# Altium PCB Rev5_FE_Test_V2.PCBDOC (part 1 of 2) (continued)
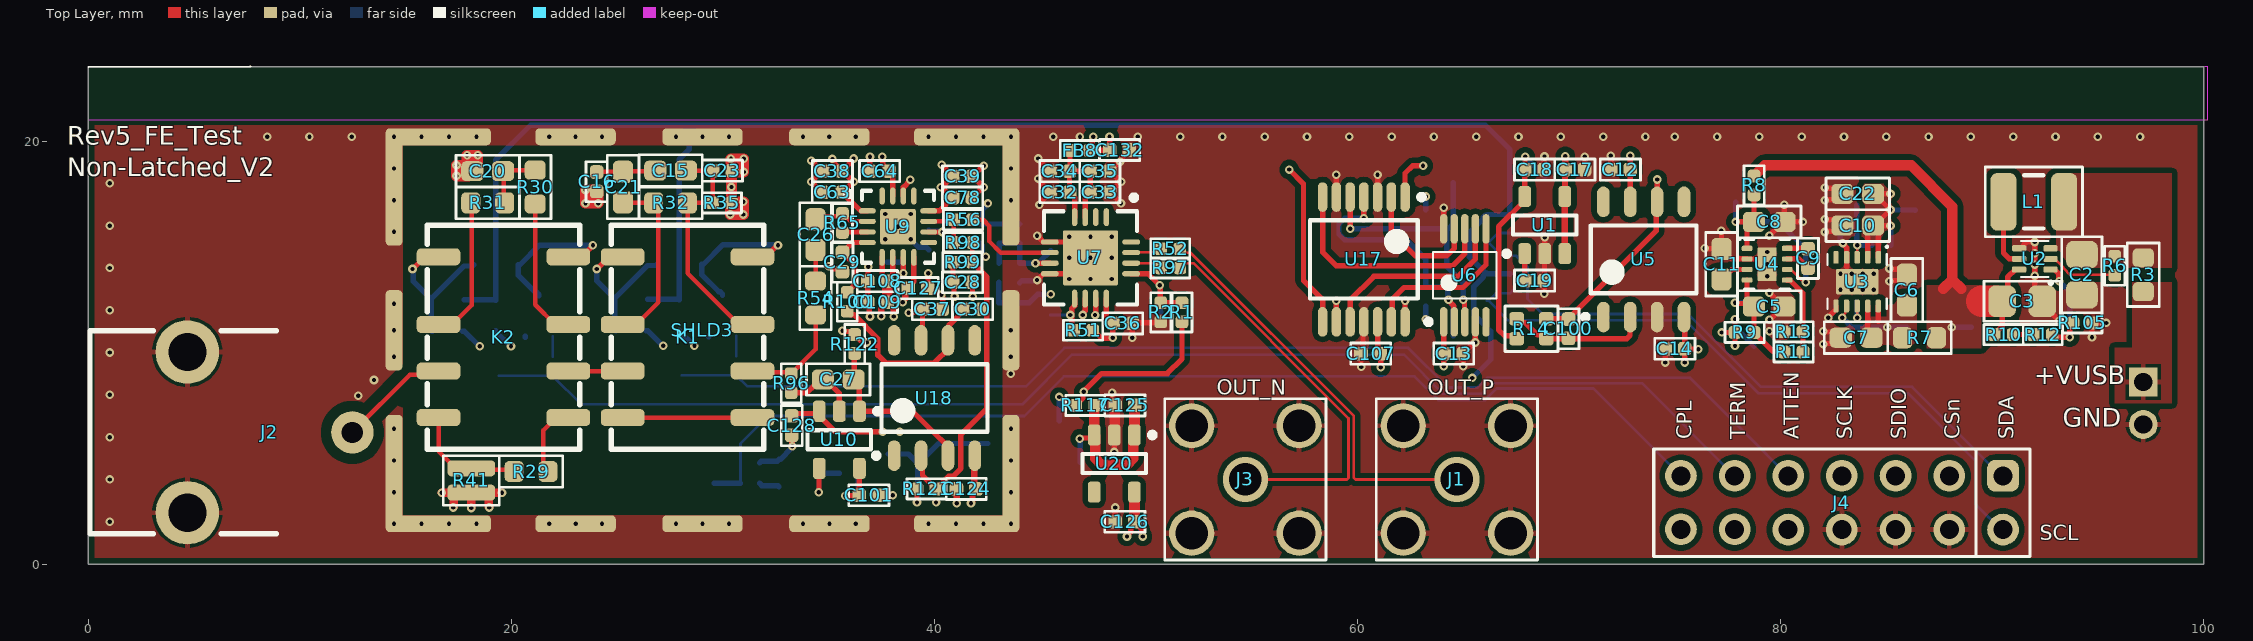
[diagram p0: Top Layer view]
## Components (designator, comment, footprint, x,y, rotation, side; value= is the part's Value field where it differs from the comment)
C1 "10uF" GEN_C_0603 19.25,11.75 r90 bottom
C2 "22uF" GEN_C_0805 94.25,13.675 r90 top
C3 "22uF" GEN_C_0805 91.425,12.425 r180 top
C4 "10uF" GEN_C_0603 16.975,11 r180 bottom
C5 "10uF" GEN_C_0603 79.466,12.176 r180 top
C6 "10uF" GEN_C_0603 85.975,12.95 r270 top
C7 "10uF" GEN_C_0603 83.575,10.7 r0 top
C8 "10uF" GEN_C_0603 79.466,16.176 r180 top
C9 "1uF" GEN_C_0402 81.3,14.45 r90 top
C10 "10uF" GEN_C_0603 83.65,16 r0 top
C11 "10uF" GEN_C_0603 77.216,14.176 r270 top
C12 "100nF" GEN_C_0402 72.43,18.65 r180 top
C13 "100nF" GEN_C_0402 64.55,9.95 r180 top
C14 "100nF" GEN_C_0402 75.005,10.175 r0 top
C15 "2.4pF" GEN_C_0603 27.525,18.6 r180 top
C16 "12pF" GEN_C_0402 24.025,18.075 r90 top
C17 "100nF" GEN_C_0402 70.275,18.65 r0 top
C18 "100nF" GEN_C_0402 68.375,18.65 r0 top
C19 "100nF" GEN_C_0402 68.375,13.4 r180 top
C20 "8pF" GEN_C_0603 18.875,18.575 r180 top
C21 "2.4pF" GEN_C_0603 25.275,17.825 r270 top
C22 "10uF" GEN_C_0603 83.65,17.5 r0 top
C23 "12pF" GEN_C_0402 29.975,18.6 r180 top
C24 "10uF" GEN_C_0603 27.925,11.775 r90 bottom
C25 "10uF" GEN_C_0603 25.65,11.025 r180 bottom
C26 "1.2nF" GEN_C_0603 34.375,15.575 r270 top
C27 "22nF" GEN_C_0603 35.45,8.725 r0 top
C28 "100nF" GEN_C_0402 41.325,13.325 r0 top
C29 "100pF" GEN_C_0402 35.65,14.275 r90 top
C30 "220pF" GEN_C_0402 41.8,12.05 r0 top
C31 "100nF" GEN_C_0402 44.025,13.75 r270 bottom
C32 "1nF" GEN_C_0402 45.925,17.575 r0 top
C33 "10nF" GEN_C_0402 47.825,17.575 r180 top
C34 "100nF" GEN_C_0402 45.925,18.575 r0 top
C35 "1uF" GEN_C_0402 47.825,18.575 r180 top
C36 "100nF" GEN_C_0402 48.9,11.375 r180 top
C37 "1uF" GEN_C_0402 39.9,12.05 r180 top
C38 "1uF" GEN_C_0402 35.175,18.575 r180 top
C39 "1uF" GEN_C_0402 41.325,18.325 r0 top
C40 "100nF" GEN_C_0402 83.15,12.3 r0 bottom
C63 "1uF" GEN_C_0402 35.175,17.575 r180 top
C64 "1uF" GEN_C_0402 37.4,18.575 r0 top
C78 "1uF" GEN_C_0402 41.325,17.325 r180 top
C100 "100nF" GEN_C_0402 69.975,11.125 r270 top
C101 "1uF" GEN_C_0402 36.9,3.25 r180 top
C102 "1uF" GEN_C_0402 37.3,12.375 r0 bottom
C107 "100nF" GEN_C_0402 60.625,9.95 r0 top
C108 "1uF" GEN_C_0402 37.3,13.375 r0 top
C109 "1uF" GEN_C_0402 37.3,12.375 r180 top
C110 "1uF" GEN_C_0402 39.725,15.325 r270 bottom
C124 "1uF" GEN_C_0402 41.5,3.55 r180 top
C125 "1uF" GEN_C_0402 49,7.5 r0 top
C126 "1uF" GEN_C_0402 49,2 r0 top
C127 "1uF" GEN_C_0402 39.225,13.05 r180 top
C128 "1uF" GEN_C_0402 33.25,6.55 r90 top
C130 "100nF" GEN_C_0402 42.1,15.675 r270 bottom
C131 "100nF" GEN_C_0402 43.025,11.9 r270 bottom
C132 "1uF" GEN_C_0402 48.75,19.575 r180 top
D2 "1N4148" GEN_SOD_323 27.95,14.175 r0 bottom
D3 "1N4148" GEN_SOD_323 19.275,14.15 r0 bottom
FB7 "120@100MHZ" GEN_R_0402 43.05,13.775 r90 bottom
FB8 "120@100MHZ" GEN_R_0402 46.875,19.55 r0 top
J1 "SMA" MOL_0733910083 64.7,4 r0 top
J2 "BNC" MOL_0731000105 8.575,6.225 r90 top
J3 "SMA" MOL_0733910083 54.7,4 r0 top
J4 "2.54mm 2X7 Pin TH" GEN_2.54mm_2X7_Pin_TH_RA 82.9,2.9 r180 top
J12 "B2B-PH-K-S(LF)(SN)" JST_B2B-PH-K-S(LF)(SN) 97.7,7.6 r90 bottom
K1 "FTR-B3SA003Z" FUJ_FTR-B3SA 28.325,10.725 r270 top
K2 "FTR-B3SA003Z" FUJ_FTR-B3SA 19.62,10.725 r270 top
L1 "1uH" GEN_L_1210 91.975,17.125 r180 top
Q1 "DMN62D0UW" GEN_SOT_323 65.175,15.85 r270 bottom
Q2 "DMN62D0UW" GEN_SOT_323 65.175,13.1 r270 bottom
Q3 "DMN62D0UW" GEN_SOT_323 29.975,11.75 r180 bottom
Q4 "DMN62D0UW" GEN_SOT_323 21.3,11.725 r180 bottom
Q5 "DMN62D0UW" GEN_SOT_323 33.6,4.3 r90 bottom
R1 "4.7K" GEN_R_0402 51.7,11.9 r270 top
R2 "1K" GEN_R_0402 50.7,11.9 r270 top
R3 "0.01" GEN_R_0603 97.15,13.675 r270 top
R5 "10" GEN_R_0603 16.975,12.5 r0 bottom
R6 "10K" GEN_R_0402 95.8,14.1 r90 top
R7 "0.01" GEN_R_0603 86.575,10.7 r180 top
R8 "0.1" GEN_R_0402 78.75,17.9 r270 top
R9 "0.1" GEN_R_0402 78.3,10.95 r180 top
R10 "680K" GEN_R_0402 90.55,10.85 r180 top
R11 "300K" GEN_R_0402 80.616,10.026 r180 top
R12 "90.9k" GEN_R_0402 92.4,10.85 r180 top
R13 "100k" GEN_R_0402 80.616,10.976 r0 top
R14 "10K" GEN_R_2ARRAY_0606 68.225,11.125 r270 top
R16 "10" GEN_R_0603 25.65,12.525 r180 bottom
R20 "10K" GEN_R_0402 67.2,16.1 r90 bottom
R21 "10K" GEN_R_0402 67.2,13.25 r90 bottom
R22 "10K" GEN_R_0402 63.225,16.3 r90 bottom
R23 "10K" GEN_R_0402 63.225,12.65 r270 bottom
R25 "20k" GEN_R_0402 84.775,15.075 r0 bottom
R26 "4.7K" GEN_R_0402 83.15,16.975 r0 bottom
R27 "20k" GEN_R_0402 83.15,16.025 r0 bottom
R29 "30" GEN_R_0603 20.925,4.375 r0 top
R30 "30" GEN_R_0603 21.12,17.825 r270 top
R31 "10" GEN_R_0603 18.875,17.075 r0 top
R32 "976k" GEN_R_0603 27.525,17.075 r0 top
R35 "20k" GEN_R_0402 29.95,17.075 r180 top
R41 "49.9" GEN_R_0508 18.1,3.95 r90 top
R47 "10K" GEN_R_0402 30.625,9.375 r270 bottom
R48 "10K" GEN_R_0402 21.95,9.35 r270 bottom
R49 "10K" GEN_R_0402 29.325,9.375 r270 bottom
R50 "10K" GEN_R_0402 20.65,9.35 r270 bottom
R51 "10K" GEN_R_0402 47.025,11.05 r0 top
R52 "0" GEN_R_0402 51.15,14.9 r0 top
R54 "30" GEN_R_0603 34.375,12.575 r90 top
R55 "35.7k" GEN_R_0402 37.75,13.825 r270 bottom
R56 "49.9" GEN_R_0402 41.35,16.275 r0 top
R65 "909k" GEN_R_0402 35.65,16.125 r90 top
R96 "909k" GEN_R_0402 33.225,8.55 r90 top
R97 "0" GEN_R_0402 51.15,14 r0 top
R98 "90.9k" GEN_R_0402 41.35,15.2 r180 top
R99 "90.9k" GEN_R_0402 41.325,14.275 r0 top
R100 "2K" GEN_R_0402 35.875,12.4 r270 top
R105 "100k" GEN_R_0402 94.275,11.4 r180 top
R117 "0.1" GEN_R_0402 47.125,7.5 r0 top
R118 "1K" GEN_R_0402 43.075,15.625 r90 bottom
R119 "1K" GEN_R_0402 44.025,15.625 r270 bottom
R121 "10K" GEN_R_0402 39.625,3.55 r0 top
R122 "90.9k" GEN_R_0402 36.225,10.4 r270 top
R123 "DNP" GEN_R_0402 37.8,4.75 r90 bottom
R124 "5K TRIMPOT" BOU_3mm_POT 40.975,4.75 r270 bottom value=5K
R125 "10K" GEN_R_0402 35.95,4.3 r0 bottom
R126 "10K" GEN_R_0402 31.275,3.825 r180 bottom
R127 "10K" GEN_R_0402 31.275,4.775 r180 bottom
SHLD3 "2118728-2" TE_2118728-2 29.031,11.053 r180 top locked
TP2 "PCB" GEN_TP_PCB 85.975,11.2 r0 bottom
TP3 "PCB" GEN_TP_PCB 86.225,16.725 r0 bottom
TP4 "PCB" GEN_TP_PCB 89.025,11.2 r0 bottom
TP11 "PCB" GEN_TP_PCB 77.875,17.125 r180 bottom
TP12 "PCB" GEN_TP_PCB 78.75,12.35 r180 bottom
TP15 "PCB" GEN_TP_PCB 78.75,10.3 r180 bottom
TP16 "PCB" GEN_TP_PCB 50.7,11.9 r90 bottom
TP17 "PCB" GEN_TP_PCB 68.85,18.325 r90 bottom
TP19 "PCB" GEN_TP_PCB 74.15,16.95 r0 bottom
TP20 "PCB" GEN_TP_PCB 64.525,10.8 r90 bottom
TP21 "PCB" GEN_TP_PCB 64.525,18.05 r270 bottom
TP22 "PCB" GEN_TP_PCB 28.05,8.925 r90 bottom
TP23 "PCB" GEN_TP_PCB 19.25,8.9 r90 bottom
TP24 "PCB" GEN_TP_PCB 45.475,11.775 r90 bottom
TP25 "PCB" GEN_TP_PCB 45.5,14.825 r90 bottom
TP26 "PCB" GEN_TP_PCB 29.575,3.825 r180 bottom
TP52 "PCB" GEN_TP_PCB 46.9,4.8 r0 bottom
TP53 "PCB" GEN_TP_PCB 49.6,2.3 r0 bottom
TP54 "PCB" GEN_TP_PCB 45.9,6.775 r0 bottom
U1 "REF2025" GEN_SOT23_5_950_2900X1600X1450 68.85,16.025 r90 top
U2 "TPS61023" TI_SOT563_DRL0006A 92.025,14.425 r180 top
U3 "TPS7A9101" TI_WSON10_DSK0010A 83.625,13.35 r270 top
U4 "LM27761" TI_WSON8_DSG0008A 79.366,14.176 r0 top
U5 "OPA140AIDR" TI_SOIC8_D0008A 73.53,14.4 r90 top
U6 "MCP4728" MC_MSOP10_UN 65.075,13.65 r90 top
U7 "LMH6518" TI_WQFN_RGH0016A 47.375,14.475 r270 top
U9 "BUF802" TI_VQFN_RGT0016C 38.275,15.95 r0 top
U10 "TS12A4516" GEN_SOT23_5_950_2900X1600X1450 35.5,5.875 r270 top
U17 "MCP4452-104E" MC_TSSOP14 60.3,14.4 r270 top
U18 "OPA140AIDR" TI_SOIC8_D0008A 40,7.85 r90 top
U20 "TPS7A2033" GEN_SOT23_5_950_2900X1600X1450 48.5,4.75 r270 top

## Footprints (in the part's own frame and the unit in brackets; to place one, negate y for a bottom-side part, rotate by r counter-clockwise, add the part's x,y. Pads: shape width x height; smd on the part's side, far side on the other; paste and mask are expansions set on the pad)
BOU_3mm_POT [mm]
  rrect50% 1.2x1.2 smd: 1(-1,-1.55) 3(1,-1.55)
  rrect50% 1.6x1.5 smd: 2(0,1.7)
  silkscreen extent -1.5,-0.8 1.5,1.9, body extent -1.8,-1.76 1.8,2.2, height 1.13
FUJ_FTR-B3SA [mm]
  rrect50% 0.8x2.06 smd: 1(-3.8,-3.07) 2(-0.6,-3.07) 3(1.6,-3.07) 4(3.8,-3.07) 5(3.8,3.07) 6(1.6,3.07) 7(-0.6,3.07) 8(-3.8,3.07)
  silkscreen extent -5.3,-3.6 5.3,3.6, body extent -5.43,-3.73 5.43,3.73, height 5.45
GEN_2.54mm_2X7_Pin_TH_RA [mm]
  rrect50% 1.5x1.5 hole 0.9: 1(-7.62,-1.27)
  round 1.5 hole 0.9: 2(-7.62,1.27) 3(-5.08,-1.27) 4(-5.08,1.27) 5(-2.54,-1.27) 6(-2.54,1.27) 7(0,-1.27) 8(0,1.27) 9(2.54,-1.27) 10(2.54,1.27) 11(5.068,-1.27) 12(5.068,1.258) 13(7.608,-1.27) 14(7.608,1.258)
  silkscreen extent -8.89,-2.54 8.89,2.54, body extent -11.35,-1.44 11.35,11.4, height 8.1
GEN_C_0402 [mm] "Chip Capacitor, 0402, IPC Medium Density"
  rrect50% 0.64x0.64 smd: 1(-0.46,0) 2(0.46,0)
  silkscreen extent -0.95,-0.5 0.95,0.5, body extent -0.55,-0.3 0.55,0.3, height 0.6
GEN_C_0603 [mm] "Chip Capacitor, 2-Leads, Body 1.60x0.80mm, IPC Medium Density"
  rrect50% 1.05x0.95 smd: 1(-0.725,0) 2(0.725,0)
  silkscreen extent -1.5,-0.75 1.5,0.75, body extent -0.85,-0.45 0.85,0.45, height 0.9
GEN_C_0805 [mm] "Chip Capacitor, 2-Leads, Body 2.00x1.25mm, IPC Medium Density"
  rrect50% 1.3x1.5 smd: 1(-0.95,0) 2(0.95,0)
  silkscreen extent -1.8,-0.95 1.8,0.95, body extent -1.1,-0.72 1.1,0.72, height 1.45
GEN_L_1210 [mm] "Chip Inductor, 2-Leads, Body 3.20x2.50mm, IPC Medium Density"
  rrect50% 1.23x2.72 smd: 1(-1.435,0) 2(1.435,0)
  silkscreen extent -2.3,-1.65 2.3,1.65, body extent -1.7,-1.35 1.7,1.35, height 1.2
GEN_R_2ARRAY_0606 [mm]
  rrect50% 0.64x0.7 smd: 1(-0.47,-0.7) 2(0.47,-0.7) 3(0.47,0.7) 4(-0.47,0.7)
  silkscreen extent -1.07,-1.25 1.07,1.25, body extent -0.88,-0.83 0.88,0.83, height 0.56
GEN_R_0402 [mm] "Chip Resistor, 2-Leads, Body 1.00x0.50mm, IPC Medium Density"
  rrect50% 0.6x0.6 smd: 1(-0.45,0) 2(0.45,0)
  silkscreen extent -0.92,-0.48 0.92,0.48, body extent -0.55,-0.3 0.55,0.3, height 0.4
GEN_R_0508 [mm] "Chip Resistor, 2-Leads, Body 1.25x2.00mm, IPC Medium Density"
  rrect50% 0.762x2.25 smd: 1(-0.575,0) 2(0.575,0)
  silkscreen extent -1.17,-1.33 1.17,1.33, body extent -0.7,-1.07 0.7,1.07, height 0.65
GEN_R_0603 [mm]
  rrect50% 0.9x1 smd: 1(-0.8,0) 2(0.8,0)
  silkscreen extent -1.5,-0.75 1.5,0.75, body extent -0.9,-0.5 0.9,0.5, height 0.6
GEN_SOD_323 [mm]
  rrect50% 0.65x0.5 smd: 1(-1.05,0) 2(1.05,0)
  silkscreen extent -0.9,-0.65 0.9,0.65, body extent -0.9,-0.7 0.9,0.7, height 1.1
GEN_SOT23_5_950_2900X1600X1450 [mm] "SOT23, 5-Leads, Body 2.90x2.80mm, Pitch 0.95mm, IPC Medium Density"
  rrect50% 1x0.6 smd: 1(-1.35,0.95) 2(-1.35,0) 3(-1.35,-0.95) 4(1.35,-0.95) 5(1.35,0.95)
  silkscreen extent -1.47,-1.5 0.45,1.92, body extent -1.5,-1.5 1.5,1.5, height 1.45
GEN_SOT_323 [mm]
  rrect50% 0.47x0.6 smd: 1(0,0.95) 2(-0.65,-0.95) 3(0.65,-0.95)
  silkscreen extent -1.1,-0.7 1.1,0.7, body extent -1.23,-0.83 1.23,0.83, height 1.1
GEN_TP_PCB [mm]
  round 1 smd paste-1: 1(0,0)
JST_B2B-PH-K-S(LF)(SN) [mm]
  rect 1.368x1.368 hole 0.86: 1(1,-0.55)
  round 1.368 hole 0.86: 2(-1,-0.55)
  silkscreen extent -2.95,-2.25 3.7,2.25, body extent -2.95,-2.25 2.95,2.25, height 6
MC_MSOP10_UN [mm] "TSSOP, 10-Leads, Body 3.00x3.00mm, Pitch 0.50mm, IPC Medium Density"
  oval 1.4x0.35 smd: 1(-2.2,1) 2(-2.2,0.5) 3(-2.2,0) 4(-2.2,-0.5) 5(-2.2,-1) 6(2.2,-1) 7(2.2,-0.5) 8(2.2,0) 9(2.2,0.5) 10(2.2,1)
  silkscreen extent -2.32,-1.5 1.1,1.85, body extent -2.45,-1.5 2.45,1.5, height 1.1
MC_TSSOP14 [mm] "TSOP, 14-Leads, Body 5.00x4.40mm, Pitch 0.65mm, IPC Medium Density"
  oval 1.4x0.45 smd: 1(-2.95,1.95) 2(-2.95,1.3) 3(-2.95,0.65) 4(-2.95,0) 5(-2.95,-0.65) 6(-2.95,-1.3) 7(-2.95,-1.95) 8(2.95,-1.95) 9(2.95,-1.3) 10(2.95,-0.65) 11(2.95,0) 12(2.95,0.65) 13(2.95,1.3) 14(2.95,1.95)
  silkscreen extent -3.07,-2.55 1.85,2.85, body extent -3.2,-2.55 3.2,2.55, height 1.2
MOL_0731000105 [mm] "Molex BNC Jack, TH Right Angle"
  round 2 hole 1: 1(0,-3.9)
  round 3 hole 1.8: 2(-3.8,3.9) 2(3.8,3.9)
  silkscreen extent -4.8,-0.3 4.8,8.5, body extent -4.82,-4.08 4.82,21.48, height 9.14
MOL_0733910083 [mm]
  round 2.14 hole 1.54: 1(0,0) 2(-2.54,-2.54) 2(-2.54,2.54) 2(2.54,-2.54) 2(2.54,2.54)
  silkscreen extent -3.81,-3.81 3.81,3.81, body extent -3.17,-11.71 3.17,3.09, height 10
TE_2118728-2 [mm]
  rrect50% 0.8x5.55 smd: 1(-14.581,6.772) 1(-14.579,-6.772) 1(14.579,6.772) 1(14.581,-6.772)
  rrect50% 0.8x3.8 smd: 1(-14.579,0.003) 1(14.581,0.003)
  rrect50% 4.98x0.8 smd: 1(-12.491,9.147) 1(-12.489,-9.147) 1(12.489,9.147) 1(12.491,-9.147)
  rrect50% 3.8x0.8 smd: 1(-6.001,9.147) 1(-5.999,-9.147) 1(-0.001,9.147) 1(0.001,-9.147) 1(5.999,9.147) 1(6.001,-9.147)
  body extent -14.68,-9.25 14.68,9.25, height 7
TI_SOIC8_D0008A [mm] "SOIC, 8-Leads, Body 4.91x3.90mm, Pitch 1.27mm, Height 1.75mm, IPC Medium Density"
  oval 1.45x0.6 smd: 1(-2.725,1.905) 2(-2.725,0.635) 3(-2.725,-0.635) 4(-2.725,-1.905) 5(2.725,-1.905) 6(2.725,-0.635) 7(2.725,0.635) 8(2.725,1.905)
  silkscreen extent -2.85,-2.5 1.6,2.88, body extent -3,-2.5 3,2.5, height 1.75
TI_SOT563_DRL0006A [mm] "SOTFL, 6-Leads, Body 1.60x1.60mm, Pitch 0.50mm, IPC Medium Density"
  rrect50% 0.67x0.3 smd: 1(-0.74,0.5) 2(-0.74,0) 3(-0.74,-0.5) 4(0.74,-0.5) 5(0.74,0) 6(0.74,0.5)
  silkscreen extent -0.83,-0.85 0.65,1.2, body extent -0.8,-0.85 0.8,0.85, height 0.6
TI_VQFN_RGT0016C [mm] "QFN, 16-Leads, Body 3.00x3.00mm, Pitch 0.50mm, Thermal Pad 1.68x1.68mm, IPC Medium Density"
  oval 0.8x0.25 smd: 1(-1.45,0.75) 2(-1.45,0.25) 3(-1.45,-0.25) 4(-1.45,-0.75) 9(1.45,-0.75) 10(1.45,-0.25) 11(1.45,0.25) 12(1.45,0.75)
  oval 0.25x0.8 smd: 5(-0.75,-1.45) 6(-0.25,-1.45) 7(0.25,-1.45) 8(0.75,-1.45) 13(0.75,1.45) 14(0.25,1.45) 15(-0.25,1.45) 16(-0.75,1.45)
  rrect10% 1.68x1.68 smd paste-0.1: 17(0,0)
  silkscreen extent -2.47,-1.7 1.7,1.7, body extent -1.55,-1.55 1.55,1.55, height 1
TI_WQFN_RGH0016A [mm] "QFN, 16-Leads, Body 4.00x4.00mm, Pitch 0.50mm, Thermal Pad 2.60x2.60mm, IPC Medium Density"
  oval 0.85x0.25 smd: 1(-1.925,0.75) 2(-1.925,0.25) 3(-1.925,-0.25) 4(-1.925,-0.75) 9(1.925,-0.75) 10(1.925,-0.25) 11(1.925,0.25) 12(1.925,0.75)
  oval 0.25x0.85 smd: 5(-0.75,-1.925) 6(-0.25,-1.925) 7(0.25,-1.925) 8(0.75,-1.925) 13(0.75,1.925) 14(0.25,1.925) 15(-0.25,1.925) 16(-0.75,1.925)
  rrect5% 2.6x2.6 smd paste-1.3: 17(0,0)
  silkscreen extent -2.97,-2.2 2.2,2.2, body extent -2.05,-2.05 2.05,2.05, height 0.8
TI_WSON8_DSG0008A [mm] "SON, 8-Leads, Body 2.00x2.00mm, Pitch 0.50mm, Thermal Pad 1.60x0.69mm, IPC Medium Density"
  rrect50% 0.5x0.25 smd: 1(-0.95,0.75) 2(-0.95,0.25) 3(-0.95,-0.25) 4(-0.95,-0.75) 5(0.95,-0.75) 6(0.95,-0.25) 7(0.95,0.25) 8(0.95,0.75)
  rrect10% 0.9x1.6 smd paste-0.9: 9(0,0)
  silkscreen extent -1.35,-1.2 1.05,1.25, body extent -1.05,-1.05 1.05,1.05, height 0.8
TI_WSON10_DSK0010A [mm] "SON, 10-Leads, Body 2.50x2.50mm, Pitch 0.50mm, Thermal Pad 2.00x1.09mm, IPC Medium Density"
  rrect50% 0.6x0.25 smd: 1(-1.15,1) 2(-1.15,0.5) 3(-1.15,0) 4(-1.15,-0.5) 5(-1.15,-1) 6(1.15,-1) 7(1.15,-0.5) 8(1.15,0) 9(1.15,0.5) 10(1.15,1)
  rrect10% 1.2x2 smd paste-2: 11(0,0)
  silkscreen extent -1.7,-1.4 1.3,1.45, body extent -1.3,-1.3 1.3,1.3, height 0.8

## Part data
C1 C4 C5 C6 C7 C8 C10 C11 C22 C24 C25: library part "CAP 10uF 10V X5R 0603", House Part Number=C-10uF-0603-002, Manufacturer=Murata, Manufacturer Part Number=GRM188R61A106ME69D, Package=0402, Supplier Part Number 1=81-GRM188R61A106ME9D, Voltage Rating=10V, Supplier 1=Mouser
C2 C3: library part "CAP 22uF 25V X5R 0805", House Part Number=C-22uF-0805-002, Manufacturer=Murata, Manufacturer Part Number=GRM21BR61E226ME44L, Package=0805, Supplier Part Number 1=81-GRM21BR61E226ME4L, Voltage Rating=25V, Supplier 1=Mouser
C9 C35 C37 C38 C39 C63 C64 C78 C101 C102 C108 C109 C110 C124 C125 C126 C127 C128 C132: library part "CAP 1uF 25V X5R 0402", Manufacturer=Murata, Manufacturer Part Number=GRM155R61E105KA12D, Package=0402, Supplier Part Number 1=81-GRM155R61E105KA2D, Voltage Rating=25V, Supplier 1=Mouser
C12 C13 C14 C17 C18 C19 C28 C31 C34 C36 C40 C100 C107 C130 C131: library part "CAP 100nF 16V X7R 0402", House Part Number=C-100nF-0402-002, Manufacturer=Murata, Manufacturer Part Number=GCM155R71C104KA55D, Package=0402, Supplier Part Number 1=81-GCM155R71C104KA5D, Voltage Rating=16V, Supplier 1=Mouser
C15 C21: library part "CAP 2.4pF 250V C0G 0603", Manufacturer=KEMET, Manufacturer Part Number=CBR06C249BAGAC, Package=0603, Supplier Part Number 1=80-CBR06C249BAGAC, Voltage Rating=250V, Supplier 1=Mouser
C16 C23: library part "CAP 12pF 50V C0G 0402", Manufacturer=KEMET, Manufacturer Part Number=CBR04C120F5GAC, Package=0402, Supplier Part Number 1=80-CBR04C120F5G, Temperature Coefficient=C0G, Voltage Rating=50V, Supplier 1=Mouser
C20: library part "CAP 8pF 250V C0G 0603", Manufacturer=KEMET, Manufacturer Part Number=CBR06C809BAGAC, Package=0603, Supplier Part Number 1=80-CBR06C809BAGAC, Voltage Rating=250V, Supplier 1=Mouser
C26: library part "CAP 1.2nF 100V C0G 0603", Manufacturer=Murata, Manufacturer Part Number=GCM1885C2A122FA16D, Package=0603, Supplier Part Number 1=81-GCM1885C2A122FA6D, Temperature Coefficient=C0G, Voltage Rating=100V, Supplier 1=Mouser
C27: library part "CAP 22nF 100V X7R 0603", Manufacturer=Murata, Manufacturer Part Number=GCM188R72A223KA37D, Package=0603, Supplier Part Number 1=81-GCM188R72A223KA7D, Voltage Rating=100V, Supplier 1=Mouser
C29: library part "CAP 100pF 50V C0G 0402", Manufacturer=Murata, Manufacturer Part Number=GCM1555C1H101FA16D, Package=0402, Supplier Part Number 1=81-GCM1555C1H101FA6D, Temperature Coefficient=C0G, Voltage Rating=50V, Supplier 1=Mouser
C30: library part "CAP 220pF 50V C0G 0402", Manufacturer=Murata, Manufacturer Part Number=GCM1555C1H221FA16J, Package=0402, Supplier Part Number 1=81-GCM1555C1H221FA6J, Temperature Coefficient=C0G, Voltage Rating=50V, Supplier 1=Mouser
C32: library part "CAP 1nF 50V C0G 0402", Manufacturer=Murata, Manufacturer Part Number=GRM1555C1H102FA01D, Package=0402, Supplier Part Number 1=81-GRM1555C1H102FA1D, Voltage Rating=50V, Supplier 1=Mouser
C33: library part "CAP 10nF 50V X7R 0402", House Part Number=C-10nF-0402-002, Manufacturer=Murata, Manufacturer Part Number=GRM155R71H103KA88J, Package=0402, Supplier Part Number 1=81-GRM155R71H103KA8J, Voltage Rating=50V, Supplier 1=Mouser
D2 D3: library part "DIODE 1N4148", Manufacturer=Diodes, Manufacturer Part Number=1N4148WS-7-F, Supplier Part Number 1=621-1N4148WS-F, Supplier 1=Mouser
FB7 FB8: library part "FERRITE BEAD 120 OHM 0402", House Part Number=BLM15PX121SN1D, Manufacturer=Murata, Supplier Part Number 1=81-BLM15PX121SN1D, Manufacturer Part Number=BLM15PX121SN1D, Supplier 1=Mouser
J1 J3: library part "SMA JACK R/A", Manufacturer=Molex, Manufacturer Part Number=73391-0083, Supplier Part Number 1=538-73391-0083, Supplier 1=Mouser
J2: library part "BNC JACK R/A", Manufacturer=Molex, Manufacturer Part Number=73100-0105, Supplier Part Number 1=538-73100-0105, Supplier 1=Mouser
J4: library part "CONN 2.54mm 2X7 Pin TH RA", Supplier Part Number 1=S9203-ND, Supplier 1=Digi-Key
J12: library part "CONN JST PH 2 Pin TH", Manufacturer=JST, Manufacturer Part Number=B2B-PH-K-S-LF-SN, Supplier Part Number 1=455-1704-ND, Supplier 1=Digi-Key
K1 K2: library part "RELAY DPDT-NO FTR-B3SA003Z", Manufacturer=Fujitsu, Manufacturer Part Number=FTR-B3SA003Z
L1: library part "IND 1uH 3.1A 45 MOHM 1210", Manufacturer=Murata, Manufacturer Part Number=1277AS-H-1R0M=P2, Supplier Part Number 1=81-1277AS-H-1R0MP2, Supplier 1=Mouser
Q1 Q2 Q3 Q4 Q5: library part "NMOS DMN62D0UW", House Part Number=DMN62D0UW-7, Manufacturer=Diodes, Supplier Part Number 1=621-DMN62D0UW-7, Manufacturer Part Number=DMN62D0UW-7, Supplier 1=Mouser, Vdss=60V
R1 R26: library part "RES 4.7K OHM 1% 1/10W 0402", Manufacturer=Panasonic, Manufacturer Part Number=ERJ-2RKF4701X, Package=0402, Supplier Part Number 1=667-ERJ-2RKF4701X, Tolerance=1%, Supplier 1=Mouser
R2 R118 R119: library part "RES 1K OHM 1% 1/10W 0402", House Part Number=R-1K-0402-1%-001, Manufacturer=Yageo, Manufacturer Part Number=RC0402FR-071KL, Package=0402, Supplier Part Number 1=603-RC0402FR-071KL, Tolerance=1%, Supplier 1=Mouser
R3 R7: library part "RES 0.01 OHM 1% 1/4W 0603", House Part Number=R-0.01-0603-1%-001, Manufacturer=Susumu, Manufacturer Part Number=RL0816T-R010-F, Package=0603, Supplier Part Number 1=754-RL0816T-R010-F, Tolerance=1%, Supplier 1=Mouser
R5 R16 R31: library part "RES 10 OHM 1% 1/3W 0603", Manufacturer="KOA Speer", Manufacturer Part Number=SG73P1JTTD10R0F, Package=0603, Supplier Part Number 1=660-SG73P1JTTD10R0F, Tolerance=1%, Supplier 1=Mouser
R6 R20 R21 R22 R23 R47 R48 R49 R50 R51 R121 R125 R126 R127: library part "RES 10K OHM 1% 1/10W 0402", Manufacturer=Panasonic, Manufacturer Part Number=ERJ-2RKF1002X, Package=0402, Supplier Part Number 1=667-ERJ-2RKF1002X, Tolerance=1%, Supplier 1=Mouser
R8 R9 R117: library part "RES 0.1 OHM 1% 1/6W 0402", Manufacturer=Panasonic, Manufacturer Part Number=ERJ-2BSFR10X, Package=0402, Supplier Part Number 1=667-ERJ-2BSFR10X, Tolerance=1%, Supplier 1=Mouser
R10: library part "RES 680K OHM 1% 1/16W 0402", Manufacturer=Yageo, Manufacturer Part Number=RC0402FR-07681KL, Package=0402, Supplier Part Number 1=603-RC0402FR-07680KL, Tolerance=1%, Supplier 1=Mouser
R11: library part "RES 300K OHM 1% 1/10W 0402", Manufacturer=Panasonic, Manufacturer Part Number=ERJ-2RKF3003X, Package=0402, Supplier Part Number 1=667-ERJ-2RKF3003X, Tolerance=1%, Supplier 1=Mouser
R12 R98 R99 R122: library part "RES 90.9K OHM 1% 1/16W 0402", Manufacturer=Yageo, Manufacturer Part Number=RC0402FR-0790K9L, Package=0402, Supplier Part Number 1=603-RC0402FR-0790K9L, Tolerance=1%, Supplier 1=Mouser
R13 R105: library part "RES 100K OHM 1% 1/10W 0402", House Part Number=R-100K-0402-1%-001, Manufacturer=Yageo, Manufacturer Part Number=RC0402FR-07100KL, Package=0402, Supplier Part Number 1=603-RC0402FR-07100KL, Tolerance=1%, Supplier 1=Mouser
R14: library part "RES ARRAY 2x 10K OHM 0.05% 0606", Manufacturer="Vishay Beyschlag", Manufacturer Part Number=ACASN1002S1002P1ATF1002X, Package=0606, Supplier Part Number 1=594-ACASN1002S1002AT, Tolerance=1%, Supplier 1=Mouser
R25 R27 R35: library part "RES 20K OHM 1% 1/16W 0402", Manufacturer=Yageo, Manufacturer Part Number=RC0402FR-0720KL, Package=0402, Supplier Part Number 1=603-RC0402FR-0720KL, Tolerance=1%, Supplier 1=Mouser
R29 R30 R54: library part "RES 30 OHM 1% 1/3W 0603", Manufacturer="KOA Speer", Manufacturer Part Number=SG73P1JTTD30R0F, Package=0603, Supplier Part Number 1=660-SG73P1JTTD30R0F, Tolerance=1%, Supplier 1=Mouser
R32: library part "RES 976k OHM 1% 1/10W 0603", Manufacturer="KOA Speer", Manufacturer Part Number=RK73H1JTTD9763F, Package=0603, Supplier Part Number 1=660-RK73H1JTTD9763F, Tolerance=1%, Supplier 1=Mouser
R41: library part "RES 49.9 OHM 1% 1W 0508", Manufacturer="KOA Speer", Manufacturer Part Number=WK73R2ATTD49R9F, Package=0508, Power Rating=1W, Supplier Part Number 1=660-WK73R2ATTD49R9F, Tolerance=1%, Supplier 1=Mouser
R52 R97: library part "RES 0 OHM 1/16W 0402", Manufacturer=Yageo, Manufacturer Part Number=RC0402JR-070RL, Package=0402, Supplier Part Number 1=603-RC0402JR-070RL, Supplier 1=Mouser
R55: library part "RES 35.7K OHM 1% 1/16W 0402", Manufacturer=Yageo, Manufacturer Part Number=RC0402FR-0735K7L, Package=0402, Supplier Part Number 1=603-RC0402FR-0735K7L, Tolerance=1%, Supplier 1=Mouser
R56: library part "RES 49.9 OHM 1% 1/10W 0402", Manufacturer=Yageo, Manufacturer Part Number=RC0402FR-0749R9L, Package=0402, Supplier Part Number 1=603-RC0402FR-0749R9L, Tolerance=1%, Supplier 1=Mouser
R65 R96: library part "RES 909K OHM 1% 1/16W 0402", Manufacturer=Yageo, Manufacturer Part Number=RC0402FR-07909KL, Package=0402, Supplier Part Number 1=603-RC0402FR-07909KL, Tolerance=1%, Supplier 1=Mouser
R100: library part "RES 2K OHM 1% 1/16W 0402", Manufacturer=Yageo, Manufacturer Part Number=RC0402FR-072KL, Package=0402, Supplier Part Number 1=603-RC0402FR-072KL, Tolerance=1%, Supplier 1=Mouser
R123: library part "RES DNP 0402", Package=0402, Tolerance=1%
R124: library part "TRIMMER 5K OHM 0.1W J LEAD TOP", Manufacturer=Bourns, Manufacturer Part Number=TC33X-2-502E, Supplier Part Number 1=652-TC33X-2-502E, Tolerance=1%, Supplier 1=Mouser
SHLD3: library part "SHIELD 2118728-2", Manufacturer="TE Connectivity", Supplier Part Number 1=571-2118728-2, Manufacturer Part Number=2118728-2, Supplier 1=Mouser
TP2 TP3 TP4 TP11 TP12 TP15 TP16 TP17 TP19 TP20 TP21 TP22 TP23 TP24 TP25 TP26 TP52 TP53 TP54: library part "TP PCB 1mm"
U1: library part "IC VREF REF2025", Supplier Part Number 1=REF2025AIDDCR, Supplier 1="Texas Instruments"
U2: library part "IC BOOST TPS61023", Manufacturer="Texas Instruments", Manufacturer Part Number=TPS61023DRLT, Supplier 1="Texas Instruments", Supplier Part Number 1=TPS61023DRLT
U3: library part "IC LDO TPS7A9101", Manufacturer="Texas Instruments", Manufacturer Part Number=TPS7A9101DSKR, Supplier 1="Texas Instruments", Supplier Part Number 1=TPS7A9101DSKR
U4: library part "IC CPUMP LM27761", Manufacturer="Texas Instruments", Manufacturer Part Number=LM27761DSGR, Supplier 1="Texas Instruments", Supplier Part Number 1=LM27761DSGR
U5 U18: library part "IC OPAMP OPA140", Manufacturer="Texas Instruments", Manufacturer Part Number=OPA140AIDR, Supplier 1="Texas Instruments", Supplier Part Number 1=OPA140AIDR
U6: library part "IC DAC QUAD MCP4728", Manufacturer=Microchip, Supplier Part Number 1=579-MCP4728A1T-E/UN, Manufacturer Part Number=MCP4728, Supplier 1=Mouser
U7: library part "IC PGA LMH6518", Manufacturer="Texas Instruments", Manufacturer Part Number=LMH6518SQE/NOPB, Supplier Part Number 1=LMH6518SQX/NOPB, Supplier 1="Texas Instruments"
U9: library part "IC BUFFER AMP BUF802", Manufacturer="Texas Instruments", Manufacturer Part Number=BUF802IRGTR, Supplier 1="Texas Instruments", Supplier Part Number 1=BUF802IRGTR
U10: library part "IC SWITCH SPST TS12A4516DBVR", Manufacturer="Texas Instruments", Manufacturer Part Number=TS12A4516DBVR, Supplier 1="Texas Instruments", Supplier Part Number 1=TS12A4516DBVR
U17: library part "IC DIGIPOT QUAD MCP4452-104E", Manufacturer=Microchip, Supplier Part Number 1=579-MCP4452-104E/ST, Manufacturer Part Number=MCP4452-104E, Supplier 1=Mouser
U20: library part "IC LDO TPS7A2033", Manufacturer="Texas Instruments", Manufacturer Part Number=TPS7A2033PDBVR, Supplier 1="Texas Instruments", Supplier Part Number 1=TPS7A2033PDBVR

## Via types
v1: diameter 0.406, hole 0.203, Top Layer to Bottom Layer, tented both sides, 281 vias

## Nets (pads, with @x,y where several pads share a name; then routed paths per layer and width w, separated by ;. In a path a pad name is that pad's centre, name@x,y a point inside that pad or via, vN(x,y) a via of type N, cw(c..) or ccw(c..) an arc to the next point about the centre after c; other vN are vias at no path point)
+3V3: C1.2 C24.2 J4.10 J4.12 J4.14 Q1.2 Q2.2 R5.2 R16.1 R20.2 R21.2 | length 82.6
  Bottom Layer w0.254: R5.2@17.775,12.5 17.788,12.487 19.238,12.487 C1.2@19.25,12.475 19.25,19.096 20.9,20.746 28.1,20.746 ; R16.1@26.45,12.525 26.463,12.512 27.912,12.512 C24.2@27.925,12.5 27.925,19.125 28.4,19.6 28.4,20.5 ; v1(65.425,8.8) 66.3,9.675 66.3,11 65.5,11.8 65.5,13.125 65.952,13.577 65.952,13.642 Q2.2@66.06,13.75 ; R21.2@67.225,13.725 R21.2@67.2,13.7 67.175,13.725 66.15,13.725 Q2.2@66.125,13.75 Q2.2@66.06,13.75 ; 28.1,20.746 28.4,20.746 ; 28.1,20.746 28.346,20.5 28.4,20.5 ; 28.4,20.5 28.454,20.5 28.7,20.746 ; 28.4,20.5 28.4,20.746 ; 28.4,20.746 28.7,20.746 ; 28.7,20.746 66.054,20.746 67.2,19.6 R20.2@67.2,16.55 67.175,16.525 66.15,16.525 Q1.2@66.125,16.5 66.06,16.5 65.952,16.392 65.952,16.327 65.275,15.65 65.275,14.535 Q2.2@66.06,13.75
+3V3_PGA: C36.2 C126.2 R51.2 TP53.1 U7.12 U20.5 | length 7.3
  Top Layer w0.254: R51.2@47.5,11.05 47.512,11.05 47.887,10.675 48.4,10.675 v1(48.425,10.7) 48.433,10.707 48.433,11.368 C36.2@48.44,11.375 48.44,11.393 48.125,11.708 U7.12@48.125,12.55 ; v1(49.1,1.3) 49.1,1.341 49.287,1.529 49.287,1.827 C126.2@49.46,2 49.46,1.982 49.821,1.621 49.821,1.329 v1(49.85,1.3)
  Top Layer w0.5: U20.5@49.45,3.4 49.455,3.395 49.455,2.005 C126.2@49.46,2
  Bottom Layer w0.254: TP53.1@49.6,2.3 49.6,2.098 49.743,1.955 49.743,1.448 49.85,1.341 v1(49.85,1.3)
+5V: C10.2 C12.1 C13.2 C17.1 C22.2 C37.2 C38.1 C39.1 C63.1 C64.2 C78.2 C101.2 C107.2 C132.2 FB8.2 R1.2 R22.2 R23.2 R25.2 R117.1 R125.2 TP3.1 TP54.1 U1.3 U1.4 U3.1 U3.2 U5.7 U6.1 U9.1 U9.12 U9.15 U10.5 U17.12 U18.7 | length 51.7
  Top Layer w0.25: v1(35.175,19.154) 35.215,19.115 35.215,19.014 35.635,18.594 C38.1@35.635,18.575 C38.1@35.654,18.575 ; C63.1@35.635,17.575 36.508,16.702 36.548,16.702 36.55,16.7 U9.1@36.825,16.7 ; C63.1@35.654,17.575 36.151,18.072 v1(36.185,18.072) ; v1@36.125,18.075 36.125,18.104 C38.1@35.654,18.575 ; v1(36.175,19.175) 36.175,19.134 35.654,18.613 C38.1@35.654,18.575 ; v1(37.525,19.25) 37.555,19.22 37.555,18.899 38.025,18.429 U9.15@38.025,17.4 ; v1(38.775,11.875) 38.805,11.905 39.395,11.905 C37.2@39.431,11.941 ; U9.12@39.725,16.7 40.24,16.7 C78.2@40.865,17.325 40.846,17.325 40.403,17.768 40.342,17.768 v1(40.303,17.807) 40.329,17.807 C39.1@40.846,18.325 ; v1(40.35,18.875) 40.35,18.858 40.846,18.361 C39.1@40.846,18.325
  Top Layer w0.254: v1(35.775,3.225) 35.788,3.238 36.428,3.238 C101.2@36.44,3.25 36.445,3.255 U10.5@36.445,4.52 ; U10.5@36.445,4.645 U10.5@36.45,4.65 ; U18.7@39.365,10.575 39.431,10.641 C37.2@39.431,11.941 ; U18.7@39.415,10.575 U18.7@39.453,10.613 ; v1(45.9,7.9) 45.941,7.9 46.182,7.659 46.516,7.659 R117.1@46.675,7.5 46.675,7.512 47.021,7.858 47.021,8.121 v1(47.05,8.15) 47.9,9 51,9 51.7,9.7 R1.2@51.7,11.45 ; FB8.2@47.45,19.55 FB8.2@47.325,19.55 FB8.2@47.338,19.562 ; v1(47.5,20.2) 47.5,20.159 47.461,20.119 47.461,19.686 FB8.2@47.338,19.562 ; v1(48.275,20.2) 48.283,20.193 48.283,19.582 C132.2@48.29,19.575 48.278,19.562 FB8.2@47.338,19.562 ; U17.12@60.913,11.488 U17.12@60.95,11.45 ; U17.12@60.95,11.45 60.95,10.085 C107.2@61.085,9.95 61.091,9.944 61.091,9.309 v1(61.096,9.304) ; v1(64.075,9.35) 64.083,9.357 64.083,9.992 64.09,10 64.083,10.007 64.083,11.443 U6.1@64.075,11.45 ; U5.7@72.895,17.125 72.893,17.127 72.893,18.648 C12.1@72.89,18.65 72.895,18.655 72.895,19.295 v1(72.9,19.3) ; U3.2@84.125,14.5 C10.2@84.125,15.65 ; C10.2@84.375,16 C10.2@84.437,16 ; C22.2@84.375,17.5 C22.2@84.437,17.5 ; U3.1@84.625,14.5 C10.2@84.625,15.8 ; v1(85.2,16) C10.2@84.437,16 ; v1(85.2,16.75) v1@85.187,16.75 ; v1(85.2,17.5) C22.2@84.437,17.5 ; C10.2@84.437,16 v1@85.187,16.75 ; C22.2@84.437,17.5 v1@85.187,16.75
  Top Layer w0.3: U1.3@69.8,14.675 69.8,17.175 69.807,17.167 U1.4@69.807,17.383 ; U1.4@69.8,17.375 U1.4@69.807,17.383 ; v1(69.825,19.275) 69.82,19.27 69.82,18.655 C17.1@69.815,18.65 69.807,18.642 U1.4@69.807,17.383
  Int3 (Sign) w0.3: 36.772,11.09 38.39,11.09 38.775,11.475 v1(38.775,11.875)
  Bottom Layer w0.254: v1(35.775,3.225) 36.125,3.225 36.4,3.5 R125.2@36.4,4.3 ; TP54.1@45.9,6.775 v1(45.9,7.9) ; v1(63.225,11.575) R23.2@63.225,12.2 ; R22.2@63.225,16.75 v1(63.225,17.375) ; v1(85.2,16) 85.212,15.988 85.212,15.088 R25.2@85.225,15.075 ; v1(85.2,16.75) 85.212,16.738 86.363,16.738 TP3.1@86.375,16.725